# Altium PCB Urukul.PcbDoc (part 9 of 12)
Units mm, origin at the board's own origin, x right, y up, seen from the top; angles counter-clockwise.
Board outline 160.99 x 100 mm, 6 copper layers (L1, P2, L3, L4, P5, L6), stack 1.648 mm thick; 971 components, 541 nets, 3373 pads, 2358 vias.
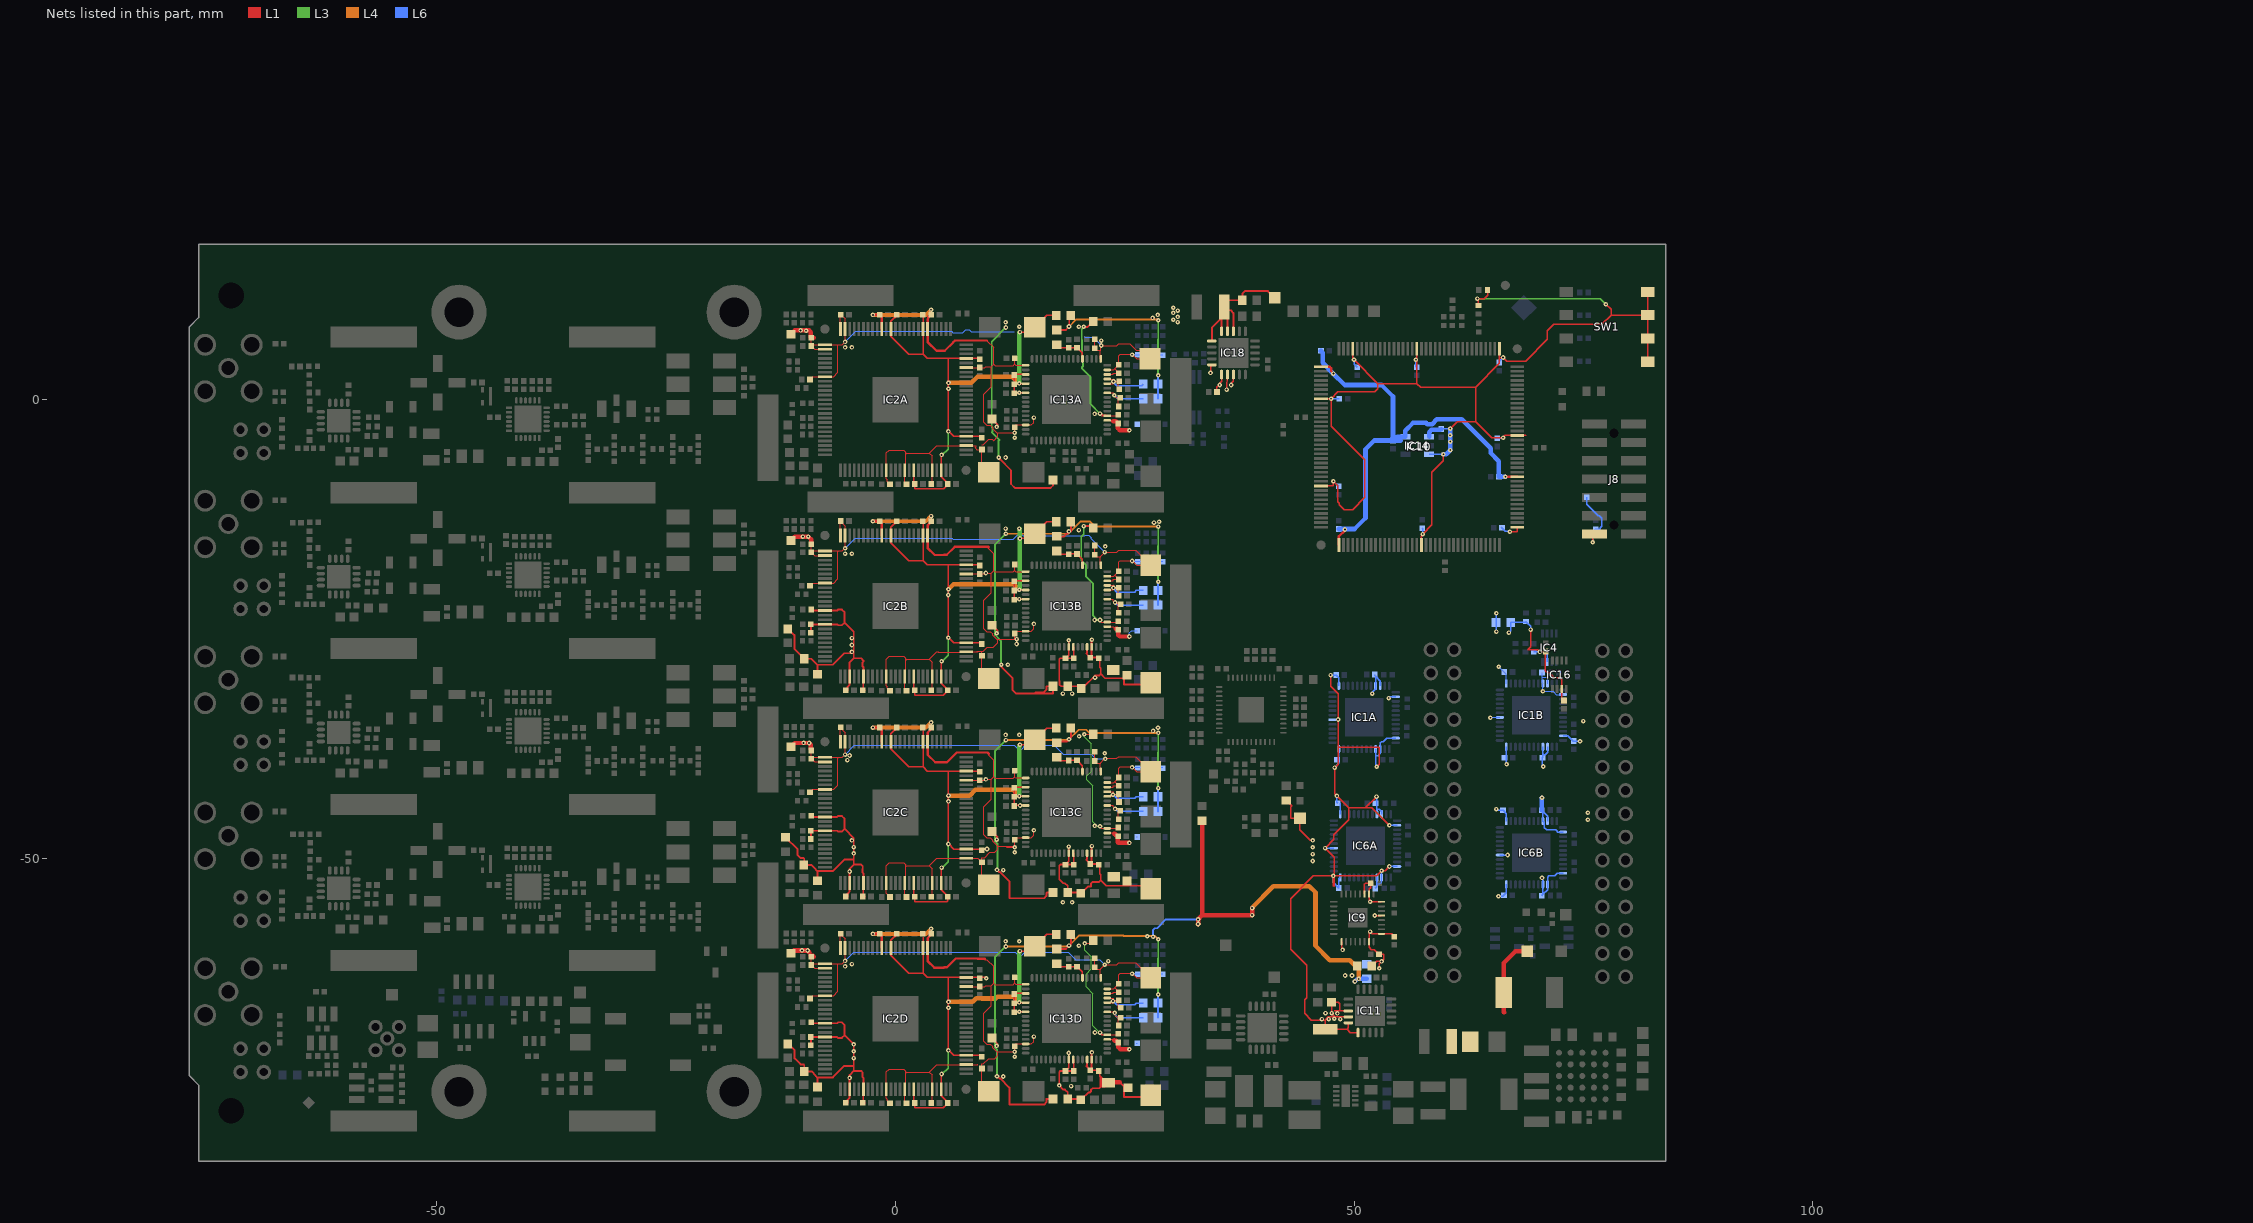
[diagram p13: the nets of this part, all layers, seen from the top]

## Via types
v1: diameter 0.5, hole 0.2, L1 to L6, tented both sides, 2267 vias
v2: diameter 0.6, hole 0.3, L1 to L6, tented both sides, 88 vias
v3: diameter 0.5, hole 0.2, L1 to L6, 3 vias

## Nets (pads, with @x,y where several pads share a name; then routed paths per layer and width w, separated by ;. In a path a pad name is that pad's centre, name@x,y a point inside that pad or via, vN(x,y) a via of type N, cw(c..) or ccw(c..) an arc to the next point about the centre after c; other vN are vias at no path point) (continued)
P1V8_CLK_VDDB: C30B.1 C44B.1 C72B.1 C99B.1 C107B.1 C112B.1 C115B.1 C116B.2 C117B.2 C118B.2 C119B.2 C120B.2 C127B.2 C128B.2 C133B.2 C134B.2 IC2B.3 IC2B.6 IC2B.89 IC2B.92 IC13B.25 IC13B.26 IC13B.29 IC13B.30 L16B.1 | length 59.5
  L1 w0.203: C72B.1@-11.75,-24.95 -11.725,-24.975 -11.021,-25.679 -11.021,-27.179 C99B.1@-9.95,-28.25 -9.209,-28.25 -8.555,-28.904 ; C116B.2@-9.23,-25.403 C118B.2@-9.23,-24.503 -9.227,-24.5 IC2B.92@-7.7,-24.5 -6.362,-24.5 -6.259,-24.604 -5.841,-24.604 -5.546,-24.309 ; C117B.2@-9.2,-22.878 -9.078,-23 IC2B.89@-7.7,-23 -6.362,-23 -6.259,-22.896 -5.841,-22.896 -5.546,-23.191 -5.546,-24.309 ; C112B.1@-8.5,-29.95 -8.5,-28.959 -8.555,-28.904 ; C120B.2@-5.225,-31.725 -5.225,-31.678 -5.225,-31.302 -5,-31.077 IC2B.3@-5,-30.2 -5,-28.653 -4.55,-28.203 ; C119B.2@-3.35,-31.725 -3.486,-31.589 -3.525,-31.55 -3.525,-30.225 IC2B.6@-3.5,-30.2 -3.5,-29.19 -3.496,-29.186 -3.496,-29.168 -3.581,-29.084 -3.581,-28.667 -3.496,-28.583 -3.496,-28.456 -3.75,-28.203 -4.55,-28.203 ; v1(18.89,-26.238) IC13B.25@18.89,-26.95 18.89,-27.853 C134B.2@18.54,-28.203 ; IC13B.26@19.39,-26.95 19.39,-27.3 19.44,-27.35 C127B.2@19.44,-28.203 C134B.2@18.54,-28.203 ; IC13B.29@20.89,-27.3 IC13B.29@20.89,-26.95 20.9,-26.96 20.9,-27.575 20.799,-27.676 C133B.2@21.25,-28.128 C133B.2@21.39,-28.128 ; v1(21.409,-26.183) 21.39,-26.202 IC13B.30@21.39,-26.95 C133B.2@21.39,-28.128 ; C115B.1@27.82,-30.853 27.62,-31.053 24.925,-31.053 24.925,-30.373 22.845,-30.373 22.375,-29.903 ; -8.555,-28.904 -6.826,-28.904 -5.575,-27.653 -4.75,-27.653 -4.55,-27.653 ; -5.546,-24.309 -4.55,-25.305 -4.55,-26 -4.55,-26.75 -4.55,-27.5 -4.55,-27.653 ; -4.55,-28.203 -4.55,-27.653 ; C134B.2@18.54,-28.203 17.975,-28.203 17.85,-28.328 17.85,-30.629 17.879,-30.658 17.879,-31.075 18.056,-31.253 L16B.1@18.775,-31.253 20.25,-31.253 20.591,-31.253 21.646,-30.198 21.763,-30.081 22.196,-30.081 22.375,-29.903 ; C133B.2@21.39,-28.128 22.175,-28.128 22.212,-28.165 22.275,-28.228 22.275,-29.203 22.375,-29.303 22.375,-29.903
  other v1: 18.25,-32.053 19.25,-32.053 21.75,-30.303 -4.75,-27.5 -4.75,-26.75 -4.75,-26
P1V8_CLK_VDDC: C30C.1 C44C.1 C72C.1 C99C.1 C107C.1 C112C.1 C115C.1 C116C.2 C117C.2 C118C.2 C119C.2 C120C.2 C127C.2 C128C.2 C133C.2 C134C.2 IC2C.3 IC2C.6 IC2C.89 IC2C.92 IC13C.25 IC13C.26 IC13C.29 IC13C.30 L16C.1 | length 59.3
  L1 w0.203: C99C.1@-12,-47.7 -10.669,-49.031 -10.669,-49.661 -10.348,-49.981 -10.019,-49.981 -9.95,-50.05 C72C.1@-9.95,-50.75 ; C72C.1@-10.25,-50.75 C72C.1@-10,-50.75 C72C.1@-9.95,-50.75 ; C116C.2@-9.23,-47.903 C118C.2@-9.23,-47.003 -9.227,-47 IC2C.92@-7.7,-47 -6.362,-47 -6.259,-47.104 -5.841,-47.104 -5.546,-46.809 ; C117C.2@-9.2,-45.378 -9.078,-45.5 IC2C.89@-7.7,-45.5 -6.362,-45.5 -6.259,-45.396 -5.841,-45.396 -5.546,-45.691 -5.546,-46.809 ; C112C.1@-8.5,-52.45 -8.5,-51.459 -8.555,-51.404 ; C120C.2@-5.225,-54.225 -5.225,-53.857 -5,-53.632 IC2C.3@-5,-52.7 v1(-5,-51.453) -5,-51.153 -4.55,-50.703 ; C119C.2@-3.35,-54.225 -3.525,-54.05 -3.525,-52.725 IC2C.6@-3.5,-52.7 -3.5,-51.69 -3.496,-51.686 -3.496,-51.673 -3.581,-51.588 -3.581,-51.171 -3.567,-51.158 -3.567,-50.886 -3.75,-50.703 -4.55,-50.703 ; v1(18.89,-48.738) 18.89,-50.353 C134C.2@18.54,-50.703 ; IC13C.26@19.39,-49.45 19.39,-49.8 19.44,-49.85 C127C.2@19.44,-50.703 C134C.2@18.54,-50.703 ; IC13C.29@20.89,-49.8 IC13C.29@20.89,-49.45 20.9,-49.46 20.9,-50.075 ; 20.9,-50.083 20.9,-50.075 ; v1(21.409,-48.683) 21.39,-48.702 C133C.2@21.39,-50.628 ; C115C.1@27.82,-53.353 27.62,-53.553 27.067,-53 22.972,-53 22.375,-52.403 ; C72C.1@-9.95,-50.75 -9.153,-50.75 -8.704,-51.199 -8.704,-51.255 -8.555,-51.404 ; -8.555,-51.404 -6.826,-51.404 -5.575,-50.153 -4.55,-50.153 ; -5.546,-46.809 -4.55,-47.805 v1(-4.55,-48.792) v1(-4.55,-49.472) -4.55,-50.153 ; -4.55,-50.703 -4.55,-50.153 ; C134C.2@18.54,-50.703 17.975,-50.703 17.85,-50.828 17.85,-52.279 18.302,-52.731 18.479,-52.731 18.775,-53.028 L16C.1@18.775,-53.753 20.325,-53.753 21.011,-53.066 21.314,-53.066 21.314,-52.764 21.496,-52.581 22.196,-52.581 22.375,-52.403 ; 20.9,-50.075 20.799,-50.176 C133C.2@21.25,-50.628 C133C.2@21.39,-50.628 ; C133C.2@21.39,-50.628 22.175,-50.628 22.275,-50.728 22.275,-51.703 22.375,-51.803 22.375,-52.403
  other v1: 18.25,-54.803 19.25,-54.803 -4.75,-48.053
P1V8_CLK_VDDD: C30D.1 C44D.1 C72D.1 C99D.1 C107D.1 C112D.1 C115D.1 C116D.2 C117D.2 C118D.2 C119D.2 C120D.2 C127D.2 C128D.2 C133D.2 C134D.2 IC2D.3 IC2D.6 IC2D.89 IC2D.92 IC13D.25 IC13D.26 IC13D.29 IC13D.30 L16D.1 | length 61
  L1 w0.203: C72D.1@-11.75,-70.2 -11.725,-70.225 -11,-70.95 -11,-71.829 -10.348,-72.481 -10.019,-72.481 -9.95,-72.55 C99D.1@-9.95,-73.25 -9.153,-73.25 -8.704,-73.699 -8.704,-73.755 -8.555,-73.904 ; C116D.2@-9.23,-70.403 C118D.2@-9.23,-69.503 -9.227,-69.5 IC2D.92@-7.7,-69.5 -6.362,-69.5 -6.259,-69.604 -5.841,-69.604 -5.546,-69.309 ; C117D.2@-9.2,-67.878 -9.078,-68 IC2D.89@-7.7,-68 -6.362,-68 -6.259,-67.896 -5.841,-67.896 -5.546,-68.191 -5.546,-69.309 ; C112D.1@-8.5,-74.95 -8.5,-73.959 -8.555,-73.904 ; C120D.2@-5.225,-76.725 -5.225,-76.678 -5.225,-76.362 -5,-76.137 IC2D.3@-5,-75.2 v1(-5,-73.953) -5,-73.653 -4.55,-73.203 ; C119D.2@-3.35,-76.725 -3.486,-76.589 -3.525,-76.55 -3.525,-75.225 IC2D.6@-3.5,-75.2 -3.5,-74.19 -3.496,-74.186 -3.496,-73.974 -3.581,-73.89 -3.581,-73.372 -3.75,-73.203 -4.55,-73.203 ; v1(18.89,-71.238) IC13D.25@18.89,-71.95 18.89,-72.853 C134D.2@18.54,-73.203 ; IC13D.26@19.39,-71.95 19.39,-72.3 19.44,-72.35 C127D.2@19.44,-73.203 C134D.2@18.54,-73.203 ; IC13D.29@20.89,-72.3 IC13D.29@20.89,-71.95 20.9,-71.96 20.9,-72.575 ; 20.926,-72.766 20.9,-72.739 20.9,-72.575 ; v1(21.409,-71.183) 21.39,-71.202 IC13D.30@21.39,-71.95 C133D.2@21.39,-73.128 ; 22.366,-73.812 22.366,-73.851 ; C107D.1@23.25,-74.45 23.214,-74.486 22.797,-74.903 22.53,-74.903 22.53,-74.487 22.53,-74.016 22.366,-73.851 ; 24.45,-74.45 24.925,-74.925 24.925,-75.044 24.925,-76.053 27.62,-76.053 C115D.1@27.82,-75.853 ; -8.555,-73.904 -6.826,-73.904 -5.575,-72.653 -4.55,-72.653 ; -5.546,-69.309 v1(-4.55,-70.305) v1(-4.55,-71.053) v1(-4.55,-71.803) -4.55,-72.653 ; -4.55,-73.203 -4.55,-72.653 ; C134D.2@18.54,-73.203 17.975,-73.203 17.85,-73.328 v1(17.85,-74.779) 18.302,-75.231 18.479,-75.231 18.775,-75.528 L16D.1@18.775,-76.253 20.2,-76.253 20.325,-76.253 21.011,-75.566 21.18,-75.566 21.314,-75.432 21.314,-75.264 21.496,-75.081 22.196,-75.081 22.366,-74.912 22.366,-73.851 ; 20.9,-72.575 20.838,-72.636 20.838,-72.716 C133D.2@21.25,-73.128 C133D.2@21.39,-73.128 ; C133D.2@21.39,-73.128 22.175,-73.128 22.212,-73.165 22.275,-73.228 22.275,-73.761 22.366,-73.851
  L1 w0.5: C107D.1@23.25,-74.45 24.45,-74.45
  other v3: 19.152,-74.854
P1V8_DACCLKA: C143A.2 C144A.2 IC13A.44 IC13A.45 L19A.1 | length 6.9
  L1 w0.127: IC13A.44@23.09,1.75 23.727,1.75 23.727,1.943 v1(23.771,1.987) 23.782,1.997 24.34,1.997 24.27,1.927 24.27,1.123 C143A.2@24.27,1.097 ; IC13A.45@23.09,2.25 23.72,2.25
  L1 w0.152: 23.72,2.25 23.771,2.199 v1(23.771,1.987)
  L6 w0.152: v1(23.771,1.987) 23.771,1.869 24.121,1.519 26.842,1.519 L19A.1@27.02,1.697
P1V8_DACCLKB: C143B.2 C144B.2 IC13B.44 IC13B.45 L19B.1 | length 6.9
  L1 w0.127: IC13B.44@23.09,-20.75 23.727,-20.75 23.727,-20.562 v1(23.771,-20.518) 23.786,-20.503 C144B.2@24.34,-20.503 24.27,-20.573 24.27,-21.382 C143B.2@24.27,-21.403 ; IC13B.45@23.09,-20.25 23.72,-20.25
  L1 w0.152: 23.72,-20.25 23.771,-20.301 v1(23.771,-20.518)
  L6 w0.152: v1(23.771,-20.518) 23.771,-20.631 24.121,-20.981 26.098,-20.981 26.276,-20.803 L19B.1@27.02,-20.803
P1V8_DACCLKC: C143C.2 C144C.2 IC13C.44 IC13C.45 L19C.1 | length 6.9
  L1 w0.127: IC13C.44@23.09,-43.25 23.72,-43.25 23.727,-43.25 23.727,-43.087 v1(23.72,-43.08) 23.797,-43.003 C144C.2@24.34,-43.003 24.27,-43.073 24.27,-43.872 C143C.2@24.27,-43.903 ; IC13C.45@23.09,-42.75 23.72,-42.75
  L1 w0.152: v1(23.72,-43.08) 23.72,-42.75
  L6 w0.152: v1(23.72,-43.08) 24.121,-43.481 26.098,-43.481 26.276,-43.303 L19C.1@27.02,-43.303
P1V8_DACCLKD: C143D.2 C144D.2 IC13D.44 IC13D.45 L19D.1 | length 6.9
  L1 w0.127: IC13D.44@23.09,-65.75 23.72,-65.75 23.727,-65.75 23.727,-65.587 v1(23.72,-65.58) 23.797,-65.503 C144D.2@24.34,-65.503 24.27,-65.573 24.27,-66.303 C143D.2@24.27,-66.403 ; IC13D.45@23.09,-65.25 23.72,-65.25
  L1 w0.152: v1(23.72,-65.58) 23.72,-65.25
  L6 w0.152: v1(23.72,-65.58) 24.121,-65.981 26.098,-65.981 26.276,-65.803 L19D.1@27.02,-65.803
P1V8_DACDECA: C149A.2 C150A.2 IC13A.53 L21A.1 | length 3.8
  L1 w0.152: L21A.1@17.59,5.997 17.94,5.647 C149A.2@18.89,5.647 18.922,5.68 C150A.2@19.791,5.68 C150A.2@19.791,5.68 20.375,5.097 20.375,4.465 IC13A.53@20.39,4.45
P1V8_DACDECB: C149B.2 C150B.2 IC13B.53 L21B.1 | length 3.8
  L1 w0.152: L21B.1@17.59,-16.503 17.94,-16.853 C149B.2@18.89,-16.853 18.922,-16.82 C150B.2@19.791,-16.82 C150B.2@19.791,-16.82 20.375,-17.403 20.375,-18.035 IC13B.53@20.39,-18.05
P1V8_DACDECC: C149C.2 C150C.2 IC13C.53 L21C.1 | length 3.8
  L1 w0.152: L21C.1@17.59,-39.003 17.94,-39.353 C149C.2@18.89,-39.353 18.922,-39.32 C150C.2@19.791,-39.32 C150C.2@19.791,-39.32 20.375,-39.903 20.375,-40.535 IC13C.53@20.39,-40.55
P1V8_DACDECD: C149D.2 C150D.2 IC13D.53 L21D.1 | length 3.8
  L1 w0.152: L21D.1@17.59,-61.503 17.94,-61.853 C149D.2@18.89,-61.853 18.922,-61.82 C150D.2@19.791,-61.82 C150D.2@19.791,-61.82 20.375,-62.403 20.375,-63.035 IC13D.53@20.39,-63.05
P1V8_DRVA: C146A.2 C147A.2 C148A.2 IC13A.36 IC13A.42 L20A.1 R93A.2 | length 8.8
  L1 w0.127: IC13A.36@23.09,-2.25 23.727,-2.25 23.83,-2.353 23.83,-2.357 ; IC13A.42@23.09,0.75 23.727,0.75 23.771,0.707 v1@23.771,0.66 ; v1@23.923,0.374 24.1,0.197 24.27,0.197 C146A.2@24.27,-0.703 ; C147A.2@24.275,-2.611 C147A.2@24.275,-2.603 C147A.2@24.34,-2.603
  L1 w0.483: 23.765,-2.357 23.83,-2.357 24.029,-2.357 C147A.2@24.275,-2.603 ; C147A.2@24.254,-2.611 24.254,-3.119 24.462,-3.327 v1(25.498,-3.327)
  L6 w0.127: v1(25.498,-3.327) v1@25.703,-3.327
  L6 w0.152: v1@23.949,0.381 24.232,0.097 L20A.1@27.02,0.097
  other v1: 23.847,0.488
P1V8_DRVB: C146B.2 C147B.2 C148B.2 IC13B.36 IC13B.42 L20B.1 R93B.2 | length 9.9
  L1 w0.127: IC13B.36@23.09,-24.75 23.727,-24.75 23.83,-24.853 ; IC13B.42@23.09,-21.75 23.727,-21.75 23.755,-21.777 23.755,-21.957 23.925,-21.957 24.018,-22.05 24.27,-22.303 C146B.2@24.27,-23.203
  L1 w0.483: C147B.2@24.025,-24.988 24.178,-24.988 24.283,-25.094 24.305,-25.115 24.305,-25.674 24.458,-25.827 v1(25.498,-25.827)
  L6 w0.127: v1(25.498,-25.827) 25.498,-25.42 25.738,-25.18 R93B.2@26.35,-25.18
  L6 w0.152: v1(23.949,-22.119) 24.232,-22.403 L20B.1@27.02,-22.403
P1V8_DRVC: C146C.2 C147C.2 C148C.2 IC13C.36 IC13C.42 L20C.1 R93C.2 | length 9.8
  L1 w0.127: IC13C.36@23.09,-47.25 23.727,-47.25 23.82,-47.342 ; IC13C.42@23.09,-44.25 23.727,-44.25 23.727,-44.398 v1(23.949,-44.619) C148C.2@24.279,-44.619 ; 23.83,-47.603 C147C.2@24.186,-47.603 ; C146C.2@24.27,-45.703 24.27,-44.973 24.279,-44.981 24.279,-44.812 C148C.2@24.279,-44.619 ; C148C.2@24.503,-44.766 24.356,-44.619 C148C.2@24.279,-44.619
  L1 w0.483: 23.822,-47.34 23.924,-47.34 24.186,-47.603 24.228,-47.645 24.228,-48.28 24.276,-48.327 v1(25.498,-48.327)
  L6 w0.127: v1(25.498,-48.327) v1@25.6,-48.327 ; R93C.2@26.247,-47.68 R93C.2@26.35,-47.68
  L6 w0.152: v1(23.949,-44.619) 24.232,-44.903 L20C.1@27.02,-44.903
P1V8_DRVD: C146D.2 C147D.2 C148D.2 IC13D.36 IC13D.42 L20D.1 R93D.2 | length 8.6
  L1 w0.127: IC13D.36@23.09,-69.75 23.727,-69.75 23.83,-69.853 23.83,-69.87 ; IC13D.42@23.09,-66.75 23.727,-66.75 23.771,-66.793 v1@23.771,-66.84 ; 23.923,-67.126 24.1,-67.303 24.27,-67.303 24.27,-67.403 C146D.2@24.27,-68.203 ; C147D.2@24.275,-70.103 C147D.2@24.34,-70.103
  L1 w0.483: 23.873,-69.87 23.924,-69.921 24.051,-69.921 24.254,-70.124 24.279,-70.149 24.279,-70.613 24.311,-70.613 24.525,-70.827 v1(25.498,-70.827)
  L6 w0.127: v1(25.498,-70.827) v1@25.6,-70.827 ; R93D.2@26.247,-70.18 R93D.2@26.35,-70.18
  L6 w0.152: 23.949,-67.119 24.232,-67.403 L20D.1@27.02,-67.403
  other v1: 23.898,-66.873
P1V8_DVDDA: C43A.2 C51A.2 C52A.2 C53A.2 C82A.2 C83A.2 C84A.1 C151A.2 C153A.2 C154A.2 IC2A.17 IC2A.23 IC2A.30 IC2A.47 IC2A.57 IC2A.64 IC13A.3 IC13A.5 IC13A.7 L22A.1 | length 66.1
  L1 w0.152: C43A.2@0.125,9.247 0.125,9.175 -0.096,8.954 -0.126,8.954 -0.5,8.58 IC2A.64@-0.5,7.7 -0.5,6.911 1.463,4.947 3,4.947 ; IC2A.17@2,-7.7 2,-9.1 C83A.2@2.1,-9.2 2.1,-9.71 2.128,-9.738 5.239,-9.738 5.7,-9.277 C82A.2@5.7,-9.2 5.7,-9.128 5,-8.428 IC2A.23@5,-7.7 5,-6.053 v1(5.025,-6.028) ; C51A.2@3,9.2 IC2A.57@3,7.7 3,4.947 ; v1@5.775,-3.428 v1(5.775,1.197) v1(5.775,1.829) 5.775,4.45 5.825,4.5 ; v1@5.782,-3.435 6.347,-4 IC2A.30@7.7,-4 C53A.2@9.4,-4 ; C52A.2@9.141,4.5 IC2A.47@7.7,4.5 5.825,4.5 ; v1(13.56,7.366) 14.639,7.366 C84A.1@15.17,7.897 16.47,9.197 L22A.1@17.52,9.197 ; IC13A.7@14.19,0.75 v1(13.5,0.75) 12.993,0.75 C154A.2@12.94,0.697 C151A.2@12.94,1.697 ; IC13A.5@14.19,1.75 13.484,1.75 12.993,1.75 C151A.2@12.94,1.697 ; IC13A.3@14.19,2.75 12.993,2.75 C153A.2@12.94,2.697 C151A.2@12.94,1.697 ; 3,4.947 3.447,4.5 5.825,4.5
  L3 w0.152: v1(5.025,-6.028) 5.119,-6.028 5.762,-5.385 v1(5.762,-3.454)
  L3 w0.5: v1(13.484,1.778) 13.484,7.29 v1(13.56,7.366)
  L4 w0.5: v1(5.775,1.829) 8.25,1.829 8.939,2.518 12.744,2.518 v1(13.484,1.778)
  other v1: 13.5,7.947
P1V8_DVDDB: C43B.2 C51B.2 C52B.2 C53B.2 C82B.2 C83B.2 C84B.1 C151B.2 C153B.2 C154B.2 IC2B.17 IC2B.23 IC2B.30 IC2B.47 IC2B.57 IC2B.64 IC13B.3 IC13B.5 IC13B.7 L22B.1 | length 66.8
  L1 w0.152: C43B.2@0.125,-13.253 0.125,-13.325 -0.096,-13.546 -0.126,-13.546 -0.5,-13.92 IC2B.64@-0.5,-14.8 -0.5,-15.589 1.463,-17.553 3,-17.553 ; IC2B.17@2,-30.2 2,-31.6 C83B.2@2.1,-31.7 2.1,-32.21 2.128,-32.238 5.218,-32.238 5.7,-31.756 C82B.2@5.7,-31.7 5.7,-31.628 5,-30.928 IC2B.23@5,-30.2 5,-28.553 v1(5.025,-28.528) ; 3,-13.6 IC2B.57@3,-14.8 3,-17.553 ; v1@5.775,-25.928 5.775,-21.303 v1(5.775,-20.671) 5.775,-18.05 5.825,-18 ; v1@5.782,-25.935 6.347,-26.5 IC2B.30@7.7,-26.5 C53B.2@9.4,-26.5 ; C52B.2@9.175,-18 IC2B.47@7.7,-18 5.825,-18 ; v1(13.56,-15.134) 14.639,-15.134 C84B.1@15.17,-14.603 16.47,-13.303 L22B.1@17.52,-13.303 ; IC13B.7@14.19,-21.75 v1(13.5,-21.75) 12.993,-21.75 C154B.2@12.94,-21.803 C151B.2@12.94,-20.803 ; IC13B.5@14.19,-20.75 13.484,-20.75 12.993,-20.75 C151B.2@12.94,-20.803 ; IC13B.3@14.19,-19.75 12.993,-19.75 C153B.2@12.94,-19.803 C151B.2@12.94,-20.803 ; 3,-17.553 3.447,-18 5.825,-18
  L3 w0.152: v1(5.025,-28.528) 5.119,-28.528 5.762,-27.885 v1(5.762,-25.954)
  L3 w0.5: v1(13.484,-20.722) 13.56,-20.646 v1(13.56,-15.134) v1@13.56,-14.053
  L4 w0.5: v1(5.775,-20.671) 6.321,-20.126 12.887,-20.126 v1(13.484,-20.722)
  other v1: 5.75,-21.303 13.5,-14.053
P1V8_DVDDC: C43C.2 C51C.2 C52C.2 C53C.2 C82C.2 C83C.2 C84C.1 C151C.2 C153C.2 C154C.2 IC2C.17 IC2C.23 IC2C.30 IC2C.47 IC2C.57 IC2C.64 IC13C.3 IC13C.5 IC13C.7 L22C.1 | length 66.6
  L1 w0.152: C43C.2@0.125,-35.753 0.125,-35.825 -0.096,-36.046 -0.126,-36.046 -0.5,-36.42 IC2C.64@-0.5,-37.3 -0.5,-38.089 1.463,-40.053 3,-40.053 ; IC2C.17@2,-52.7 2,-54.1 C83C.2@2.1,-54.2 2.1,-54.71 2.128,-54.738 5.604,-54.738 5.7,-54.642 C82C.2@5.7,-54.2 5.7,-54.128 5,-53.428 IC2C.23@5,-52.7 5,-51.053 v1(5.025,-51.028) ; 3,-36.1 IC2C.57@3,-37.3 3,-40.053 ; v1@5.775,-48.428 v1(5.775,-43.803) v1(5.775,-43.171) 5.775,-40.55 5.825,-40.5 ; v1@5.782,-48.435 6.347,-49 IC2C.30@7.7,-49 9.4,-49 v1(9.972,-49) ; C52C.2@9.175,-40.5 IC2C.47@7.7,-40.5 5.825,-40.5 ; v1(13.56,-37.634) 14.639,-37.634 C84C.1@15.17,-37.103 16.47,-35.803 L22C.1@17.52,-35.803 ; IC13C.7@14.19,-44.25 v1(13.591,-44.25) 12.993,-44.25 C154C.2@12.94,-44.303 C151C.2@12.94,-43.303 ; IC13C.5@14.19,-43.25 13.484,-43.25 12.993,-43.25 C151C.2@12.94,-43.303 ; IC13C.3@14.19,-42.25 12.993,-42.25 C153C.2@12.94,-42.303 C151C.2@12.94,-43.303 ; 3,-40.053 3.447,-40.5 5.825,-40.5
  L3 w0.152: v1(5.025,-51.028) 5.119,-51.028 5.762,-50.385 v1(5.762,-48.454)
  L3 w0.5: v1(13.484,-43.222) 13.484,-37.71 v1(13.56,-37.634)
  L4 w0.5: v1(5.775,-43.171) 8.081,-43.171 8.7,-42.553 12.814,-42.553 v1(13.484,-43.222)
  other v1: 13.5,-36.553
P1V8_DVDDD: C43D.2 C51D.2 C52D.2 C53D.2 C82D.2 C83D.2 C84D.1 C151D.2 C153D.2 C154D.2 IC2D.17 IC2D.23 IC2D.30 IC2D.47 IC2D.57 IC2D.64 IC13D.3 IC13D.5 IC13D.7 L22D.1 | length 66.6
  L1 w0.152: C43D.2@0.125,-58.253 0.125,-58.325 -0.096,-58.546 -0.126,-58.546 -0.5,-58.92 IC2D.64@-0.5,-59.8 -0.5,-60.589 1.463,-62.553 3,-62.553 ; IC2D.17@2,-75.2 2,-76.6 C83D.2@2.1,-76.7 2.1,-77.21 2.128,-77.238 5.227,-77.238 5.7,-76.765 C82D.2@5.7,-76.7 5.7,-76.628 5,-75.928 IC2D.23@5,-75.2 5,-73.553 v1(5.025,-73.528) ; 3,-58.6 IC2D.57@3,-59.8 3,-62.553 ; v1@5.775,-70.928 v1(5.775,-66.303) v1(5.775,-65.671) 5.775,-63.05 5.825,-63 ; v1@5.782,-70.935 6.347,-71.5 IC2D.30@7.7,-71.5 9.4,-71.5 C53D.2@9.446,-71.5 ; v1(9.887,-63.094) 9.887,-63.006 9.88,-63 9.175,-63 IC2D.47@7.7,-63 5.825,-63 ; v1(13.56,-60.134) 14.639,-60.134 C84D.1@15.17,-59.603 16.47,-58.303 L22D.1@17.52,-58.303 ; IC13D.7@14.19,-66.75 v1(13.5,-66.75) 12.993,-66.75 C154D.2@12.94,-66.803 C151D.2@12.94,-65.803 ; IC13D.5@14.19,-65.75 13.484,-65.75 12.993,-65.75 C151D.2@12.94,-65.803 ; IC13D.3@14.19,-64.75 12.993,-64.75 C153D.2@12.94,-64.803 C151D.2@12.94,-65.803 ; 3,-62.553 3.447,-63 5.825,-63
  L3 w0.152: v1(5.025,-73.528) 5.119,-73.528 5.762,-72.885 v1(5.762,-70.954)
  L3 w0.5: v1(13.484,-65.722) 13.484,-60.21 v1(13.56,-60.134)
  L4 w0.5: v1(5.775,-65.671) 8.409,-65.671 8.805,-65.276 9.395,-65.276 9.419,-65.3 10.941,-65.3 11.115,-65.126 12.887,-65.126 v1(13.484,-65.722)
  other v1: 13.5,-59.053
P1V8A: C169.2 IC18.1 IC18.18 IC18.19 IC18.20 L16A.2 L16B.2 L16C.2 L16D.2 L17A.2 L17B.2 L17C.2 L17D.2 L19A.2 L19B.2 L19C.2 L19D.2 L20A.2 L20B.2 L20C.2 L20D.2 L21A.2 L21B.2 L21C.2 L21D.2 L22A.2 L22B.2 L22C.2 L22D.2 R129.2 R150.1 R151.1 TP10.1 | length 273.3
  L1 w0.203: L17D.2@10.461,-69.57 10.499,-69.608 11.122,-70.231 ; L17C.2@10.512,-47.095 11.128,-47.712 ; L17B.2@10.512,-24.595 11.128,-25.212 ; L17A.2@10.512,-2.095 11.128,-2.712 ; 10.995,-47.594 11.045,-47.645 v1(11.045,-47.972) ; v1(11.071,-73.774) 11.318,-74.021 11.425,-74.021 12.417,-75.013 12.417,-76.873 16.195,-76.873 16.448,-76.619 16.448,-76.253 ; v1(11.071,-51.274) 11.318,-51.521 11.425,-51.521 12.417,-52.513 12.417,-54.373 16.195,-54.373 16.448,-54.119 16.448,-53.799 16.495,-53.753 L16C.2@17.175,-53.753 ; v1(11.25,-6.303) 11.25,-6.453 11.318,-6.521 11.425,-6.521 12.595,-7.691 12.595,-9.195 13.052,-9.652 13.052,-9.647 16.888,-9.647 17.175,-9.359 L16A.2@17.175,-8.753 ; v1@11.425,-29.021 12.75,-30.346 12.75,-31.623 13.177,-32.049 17.175,-32.049 L16B.2@17.175,-31.253 16.448,-31.253 16.448,-31.619 16.17,-31.897 15.237,-31.897 ; v1@11.43,-28.908 v1(11.522,-28.908) ; 16.449,-76.253 L16D.2@17.175,-76.253 ; L21D.2@17.59,-59.903 18.575,-59.903 v1@18.936,-59.541 ; L21C.2@17.59,-37.403 17.703,-37.29 18.688,-37.29 v1@18.936,-37.041 ; L21B.2@17.59,-14.903 18.386,-14.903 18.748,-14.541 18.908,-14.541 v1@18.936,-14.541 ; L21A.2@17.59,7.597 18.575,7.597 v1@18.936,7.959 ; v1@18.942,8.168 18.942,9.197 L22A.2@18.942,9.223 ; 19.12,-59.358 L22D.2@19.12,-58.303 ; 19.12,-36.858 L22C.2@19.12,-35.803 ; v1@19.12,-14.357 L22B.2@19.12,-13.303 ; IC18.1@34.5,6.397 34.5,7.862 C169.2@35.55,8.912 ; IC18.20@35.55,7.447 C169.2@35.55,8.912 ; IC18.19@36.2,7.447 C169.2@36.2,9.747 ; IC18.18@36.85,7.447 36.85,9.447 36.625,9.672 36.625,9.747 C169.2@36.2,9.747 ; 40.574,11.874 40.6,11.847 ; TP10.1@41.35,11.097 40.6,11.847 ; C169.2@35.55,8.912 35.85,9.212 C169.2@35.85,10.097 ; C169.2@35.85,10.097 C169.2@36.2,9.747 ; C169.2@35.85,10.097 35.85,10.697 36,10.847 R129.2@37.8,10.847 37.85,10.897 37.85,11.597 38.1,11.847 40.6,11.847
  L1 w0.5: v1(32.995,-57.175) v1(32.995,-56.667) 33.426,-56.236 ; R151.1@33.426,-45.91 33.426,-56.236 ; v1(38.887,-55.448) v1(38.887,-56.21) 38.862,-56.236 33.426,-56.236
  L3 w0.203: v1(11.071,-73.774) 11.071,-70.878 10.855,-70.662 10.846,-70.654 10.846,-70.472 10.846,-60.816 v1(12.036,-59.626) ; v1(11.071,-51.274) 11.105,-51.239 11.105,-48.413 10.855,-48.162 10.846,-48.154 10.846,-47.972 10.846,-38.316 v1(12.036,-37.126) ; v1(11.25,-6.303) 11.25,-4.465 11.331,-4.384 10.5,-3.553 10.5,-3.544 10.558,-3.485 10.558,-3.068 10.5,-3.01 10.5,6.338 v1(12.036,7.874) ; v1(11.522,-28.908) 11.522,-26.33 10.855,-25.662 10.846,-25.654 10.846,-25.472 10.846,-15.816 v1(12.036,-14.626) ; v1(28.648,-64.858) 28.627,-64.837 28.627,-60.941 28.648,-60.92 v1(28.648,-58.839) ; v1(28.648,-42.358) 28.627,-42.337 28.627,-38.441 28.648,-38.42 v1(28.648,-36.339) ; v1(28.648,-19.858) 28.627,-19.837 28.627,-15.941 28.648,-15.92 v1(28.648,-13.839) ; v1(28.648,2.642) 28.627,2.663 28.627,6.559 28.648,6.58 v1(28.648,8.661)
  L4 w0.203: v1(12.036,-59.626) 18.818,-59.626 v1(18.919,-59.524) 20.02,-58.424 24.811,-58.424 24.878,-58.491 27.454,-58.491 28.089,-58.491 28.3,-58.491 v1(28.648,-58.839) ; v1(12.036,-37.126) 18.818,-37.126 v1(18.919,-37.024) 19.956,-35.987 20.788,-35.987 21.14,-36.339 28.089,-36.339 v1(28.648,-36.339) ; v1(12.036,-14.626) 18.818,-14.626 18.908,-14.536 v1(18.908,-14.357) 19.087,-14.357 20.155,-13.288 21.228,-13.288 21.779,-13.839 v1(28.648,-13.839) ; v1@18.818,7.874 v1(18.919,7.976) 19.674,8.73 28.038,8.73 28.579,8.73 v1(28.648,8.661)
  L4 w0.5: v1@32.969,-57.201 v1(32.995,-57.175) ; v1(38.887,-55.448) 38.887,-55.372 41.199,-53.061 45.136,-53.061 45.796,-53.721 45.796,-59.563 47.371,-61.138 49.53,-61.138 50.508,-62.116 v1(50.508,-63.157)
  L6 w0.203: v1(28.089,-58.567) 28.089,-57.814 28.27,-57.632 28.524,-57.632 29.489,-56.667 v1(32.995,-56.667) ; L20D.2@28.62,-67.403 L19D.2@28.62,-65.803 28.62,-64.886 v1(28.648,-64.858) ; L20C.2@28.62,-44.903 L19C.2@28.62,-43.303 28.62,-42.386 v1(28.648,-42.358) ; L20B.2@28.62,-22.403 L19B.2@28.62,-20.803 28.62,-19.886 v1(28.648,-19.858) ; L20A.2@28.62,0.097 L19A.2@28.62,1.697 28.62,2.614 v1(28.648,2.642)